# Altium PCB LimeSDR-QPCIe_1v2.PcbDoc (part 3 of 21) (continued)
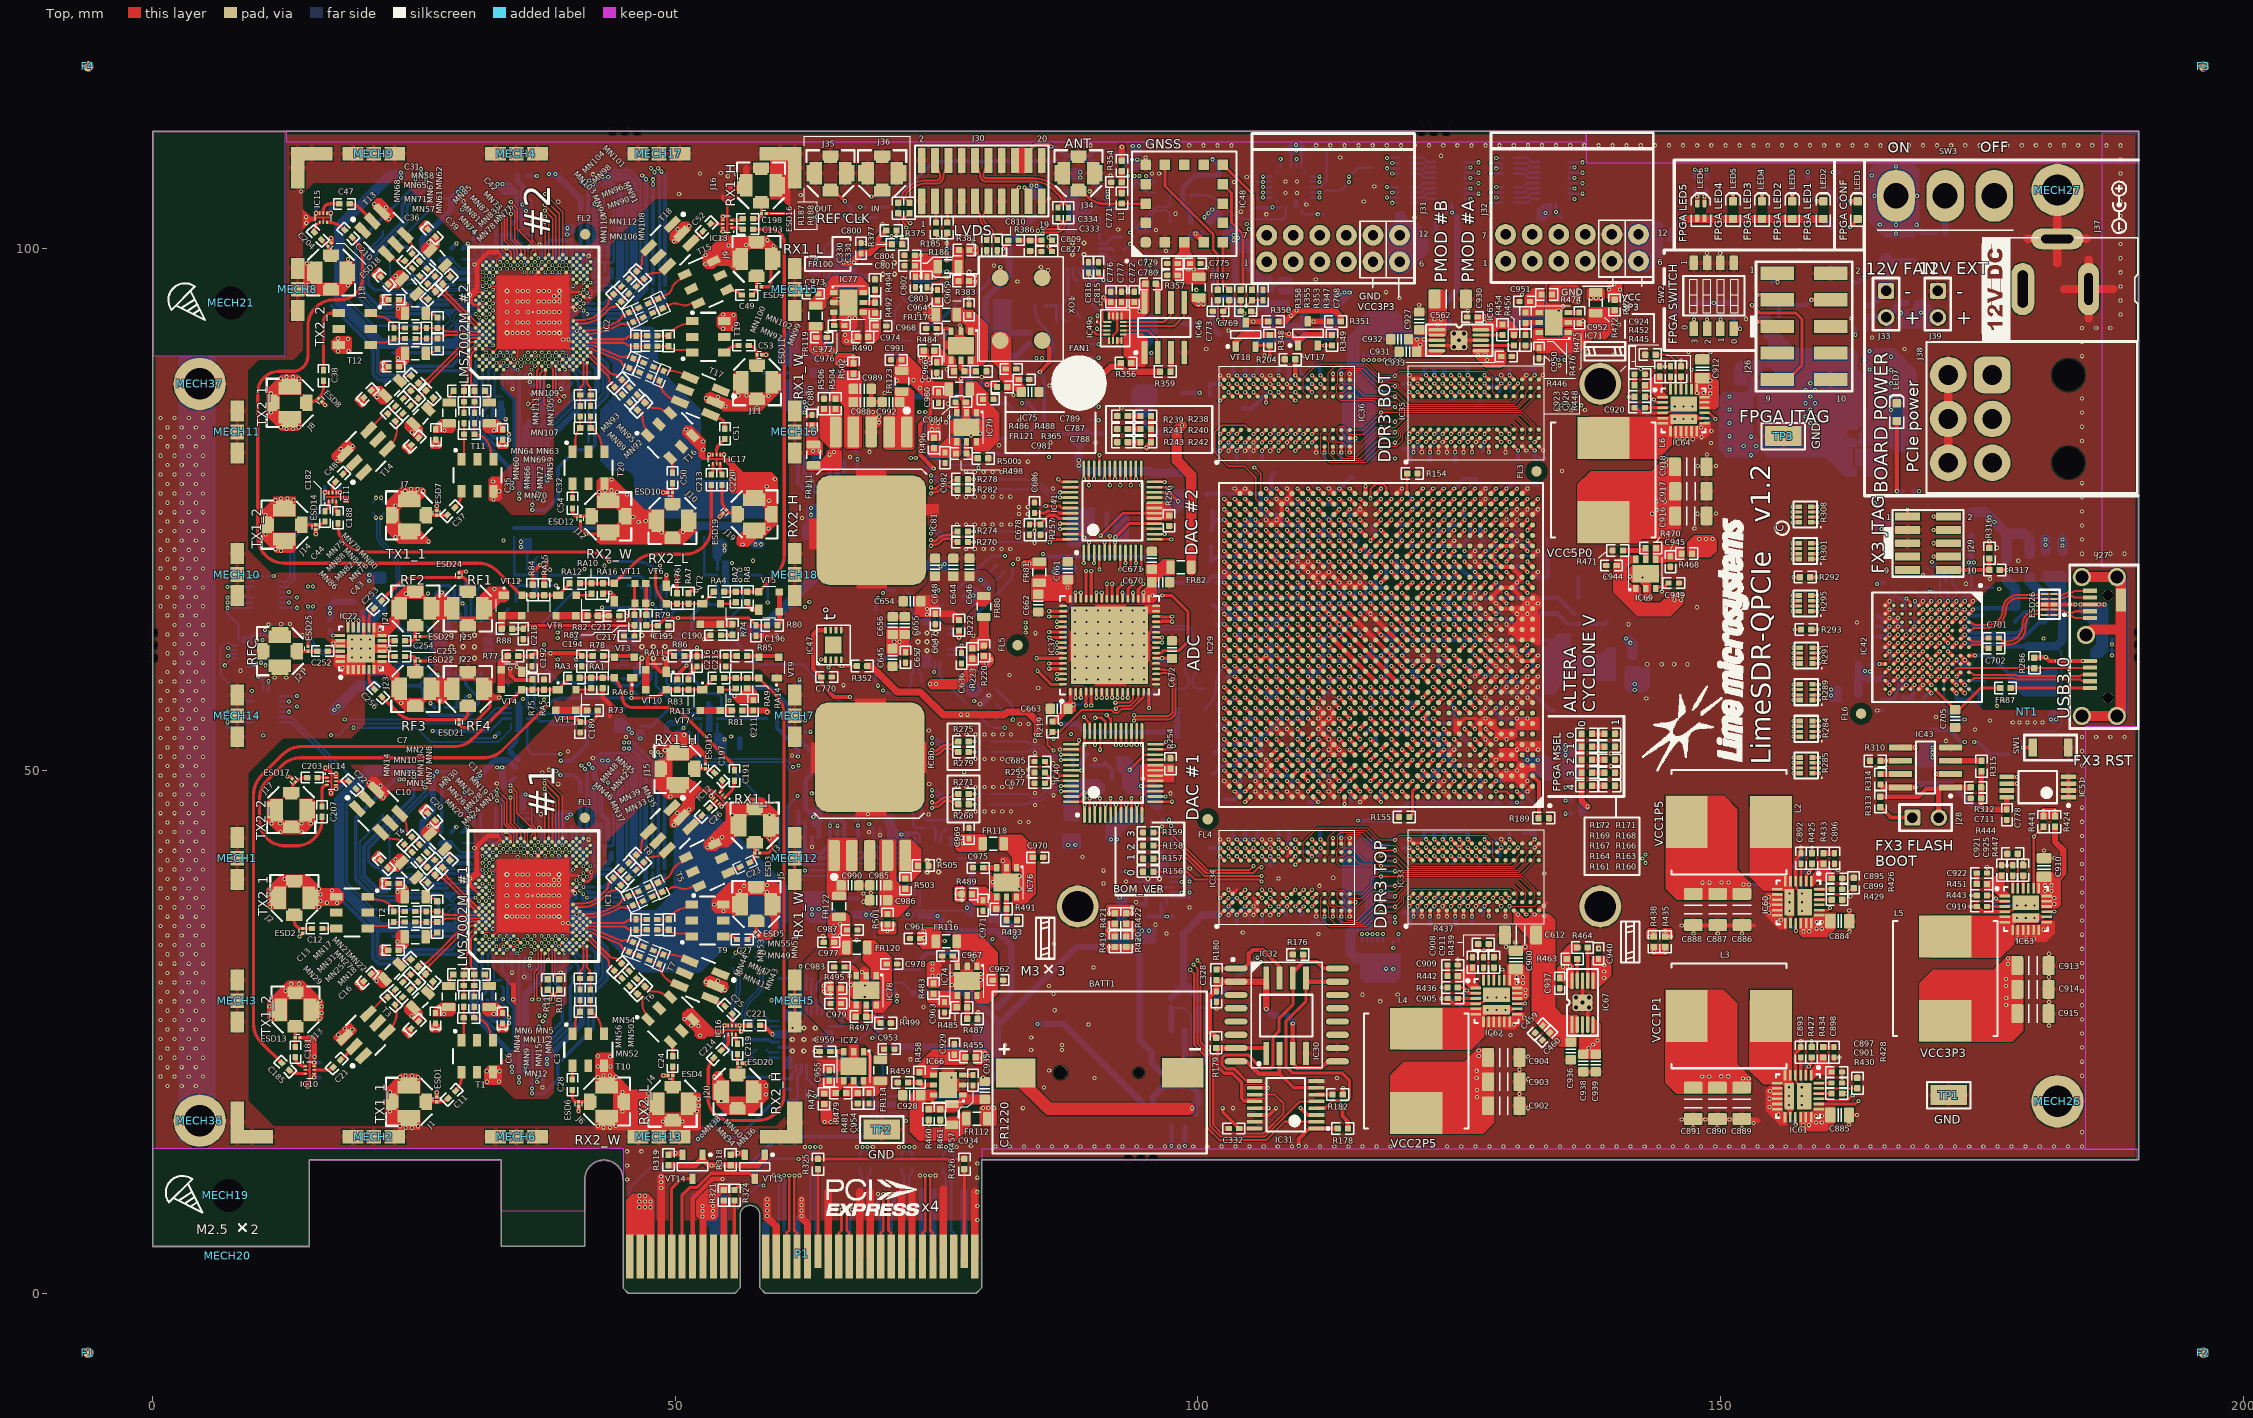
[diagram p0: Top view]
## Components (designator, comment, footprint, x,y, rotation, side; value= is the part's Value field where it differs from the comment) (continued)
IC80 "NCP59152" TO-263-5 68.6,48.025 r90 top
IC81 "NCP59152" TO-263-5 68.75,76.25 r270 top
J1 "U.FL/MMCX" MMCX_UFL_conn_u 24.512,18.316 r270 top
J2 "U.FL/MMCX" MMCX_UFL_conn_u 13.55,37.825 r180 top
J3 "U.FL/MMCX" MMCX_UFL_conn_u 57.6,44.75 r180 top
J4 "U.FL/MMCX" MMCX_UFL_conn_u 49.75,18.125 r0 top
J5 "U.FL/MMCX" MMCX_UFL_conn_u 57.75,37.225 r180 top
J6 "U.FL/MMCX" MMCX_UFL_conn_u 43.45,18.325 r90 top
J7 "U.FL/MMCX" MMCX_UFL_conn_u 24.525,74.428 r270 top
J8 "U.FL/MMCX" MMCX_UFL_conn_u 13.113,85.188 r270 top
J9 "U.FL/MMCX" MMCX_UFL_conn_u 57.775,98.95 r180 top
J10 "U.FL/MMCX" MMCX_UFL_conn_u 49.725,73.9 r0 top
J11 "U.FL/MMCX" MMCX_UFL_conn_u 57.816,87.157 r0 top
J12 "U.FL/MMCX" MMCX_UFL_conn_u 43.588,74.328 r90 top
J13 "U.FL/MMCX" MMCX_UFL_conn_u 13.65,27.125 r180 top
J14 "U.FL/MMCX" MMCX_UFL_conn_u 12.6,73.525 r270 top
J15 "U.FL/MMCX" MMCX_UFL_conn_u 50.225,50.175 r270 top
J16 "U.FL/MMCX" MMCX_UFL_conn_u 58.205,105.988 r180 top
J17 "U.FL/MMCX" MMCX_UFL_conn_u 13.25,46.225 r0 top
J18 "U.FL/MMCX" MMCX_UFL_conn_u 17.05,97.65 r0 top
J19 "U.FL/MMCX" MMCX_UFL_conn_u 57.575,74.525 r90 top
J20 "U.FL/MMCX" MMCX_UFL_conn_u 55.95,19.275 r0 top
J21 "U.FL/MMCX" MMCX_UFL_conn_U 12.176,61.425 r270 top
J22 "U.FL/MMCX" MMCX_UFL_conn_U 30.15,57.825 r180 top
J23 "U.FL/MMCX" MMCX_UFL_conn_U 25.125,57.825 r0 top
J24 "U.FL/MMCX" MMCX_UFL_conn_U 25.125,65.525 r180 top
J25 "U.FL/MMCX" MMCX_UFL_conn_U 30.15,65.525 r0 top
J26 "JTAG_10pinConnector" HEADER5x2_SM 158,92.5 r270 top locked
J27 "Micro_USB3B" microUSB3B_SM_v2 185.349,59.2 r90 top locked
J28 "Header" HDR_1x2 169.625,45.5 r90 top
J29 "JTAG connector" SWD_10_pin 169.85,71.75 r270 top
J30 "Header 10x2_SM" HEADER_10x2_SM_HALF_PITCH 79.325,106.425 r0 top locked
J31 "PMOD connector" PMODconn_right_angle_TH 112.94,99.95 r0 top locked
J32 "PMOD connector" PMODconn_right_angle_TH 135.8,100.025 r0 top locked
J33 "Header" HDR_1x2 165.85,94.625 r0 top
J34 "U.FL/MMCX" MMCX_UFL_conn_u 88.575,107.15 r180 top locked
J35 "U.FL/MMCX" MMCX_UFL_conn_u 64.85,107.15 r180 top
J36 "U.FL/MMCX" MMCX_UFL_conn_u 69.8,107.15 r180 top
J37 "CONN_PWR_JACK_2.1x5.5mm" CONN_PWR_JACK_v2 192.925,96.075 r270 top locked
J38 "6-pin PCIe power" PCIe_POWER_HEADER_6PIN 176,87.85 r270 top locked
J39 "Header" HDR_1x2 170.8,94.625 r0 top
L1 "47nH" RES0402#1 92.725,104.75 r90 top
L2 "1µH" FDVE1040_TOKO_INDUCTOR 150.8,45.075 r180 top
L3 "1µH" FDVE1040_TOKO_INDUCTOR 150.8,26.525 r180 top
L4 "2.2µH" FDVE1040_TOKO_INDUCTOR 120.9,21.275 r270 top
L5 "2.2µH" FDVE1040_TOKO_INDUCTOR 171.513,30.1 r270 top
L6 "3.3µH" FDVE1040_TOKO_INDUCTOR 138.8,77.8 r270 top
LED1 "LED_green" LED-0603-GREEN 163.125,103.625 r90 top
LED2 "LED_green" LED-0603-GREEN 159.85,103.625 r90 top
LED3 "LED_green" LED-0603-GREEN 156.875,103.625 r90 top
LED4 "LED_green" LED-0603-GREEN 153.975,103.625 r90 top
LED5 "LED_green" LED-0603-GREEN 151.2,103.625 r90 top
LED6 "LED_RG_SMD" LED-2X0603 148.1,103.625 r90 top
LED7 "LED_green" LED-0603-GREEN 166.875,84.3 r90 top
MECH1 "RFI Shield clip" RFI_SHIELD_CLPS_MINI 8.1,41.6 r90 top
MECH2 "RFI Shield clip" RFI_SHIELD_CLPS_MINI 21.162,14.975 r180 top
MECH3 "RFI Shield clip" RFI_SHIELD_CLPS_MINI 8.1,27.962 r90 top
MECH4 "RFI Shield clip" RFI_SHIELD_CLPS_MINI 34.8,109.025 r180 top
MECH5 "RFI Shield clip" RFI_SHIELD_CLPS_MINI 61.425,27.962 r90 top
MECH6 "RFI Shield clip" RFI_SHIELD_CLPS_MINI 34.8,14.975 r180 top
MECH7 "RFI Shield clip" RFI_SHIELD_CLPS_MINI 61.425,55.237 r90 top
MECH8 "RFI Shield clip" RFI_SHIELD_CLPS_MINI 13.875,96.038 r90 top
MECH9 "RFI Shield clip" RFI_SHIELD_CLPS_MINI 21.162,109.025 r180 top
MECH10 "RFI Shield clip" RFI_SHIELD_CLPS_MINI 8.1,68.763 r90 top
MECH11 "RFI Shield clip" RFI_SHIELD_CLPS_MINI 8.1,82.4 r90 top
MECH12 "RFI Shield clip" RFI_SHIELD_CLPS_MINI 61.425,41.6 r90 top
MECH13 "RFI Shield clip" RFI_SHIELD_CLPS_MINI 48.437,14.975 r180 top
MECH14 "RFI Shield clip" RFI_SHIELD_CLPS_MINI 8.1,55.238 r90 top
MECH15 "RFI Shield clip" RFI_SHIELD_CLPS_MINI 61.425,96.038 r90 top
MECH16 "RFI Shield clip" RFI_SHIELD_CLPS_MINI 61.425,82.4 r90 top
MECH17 "RFI Shield clip" RFI_SHIELD_CLPS_MINI 48.438,109.025 r180 top
MECH18 "RFI Shield clip" RFI_SHIELD_CLPS_MINI 61.425,68.763 r90 top
MECH19 "PCIe bracket" PCIE_BRACKET 6.975,9.35 r0 top locked
MECH20 "Spacer M3" PCIe_bracket_screw_M2.5 7.175,3.575 r90 top
MECH21 "Spacer M3" PCIe_bracket_screw_M2.5 7.5,94.75 r90 top
MECH26 "# pcs." PCB_STANDOFF 182.25,18.35 r0 top locked
MECH27 "# pcs." PCB_STANDOFF 182.25,105.55 r0 top locked
MECH36 "# pcs." PCB_STANDOFF 4.5,16.5 r0 top locked
MECH37 "# pcs." PCB_STANDOFF 4.5,87 r0 top locked
MN1 "100uH" RES0805#2 25.111,34.086 r180 top
MN2 "100uH" RES0805#2 25.11,37.931 r180 top
MN3 "100uH" RES0805#2 32.184,28.386 r270 top
MN4 "100uH" RES0805#2 28.339,28.385 r270 top
MN5 "47nH" RES0402#1 31.259,30.496 r0 top
MN6 "47nH" RES0402#1 29.259,30.496 r180 top
MN7 "47nH" RES0402#1 27.221,35.011 r270 top
MN8 "47nH" RES0402#1 27.221,37.011 r90 top
MN9 "100nF, 16V" CAP0402#2 29.759,27.896 r90 top
MN10 "100nF, 16V" CAP0402#2 24.621,36.511 r0 top
MN11 "0.5pF" CAP0402#2 30.259,29.446 r180 top
MN12 "2pF" CAP0402#2 30.259,26.346 r180 top
MN13 "0.5pF" CAP0402#2 26.171,36.011 r90 top
MN14 "2pF" CAP0402#2 23.071,36.011 r90 top
MN15 "100nF, 16V" CAP0402#2 30.759,27.896 r270 top
MN16 "100nF, 16V" CAP0402#2 24.621,35.511 r180 top
MN17 "0uH (0R)" RES0805#2 22.913,30.754 r225 top
MN18 "0uH (0R)" RES0805#2 25.632,28.035 r225 top
MN19 "0uH (0R)" RES0805#2 27.24,43.209 r135 top
MN20 "0uH (0R)" RES0805#2 24.522,40.49 r135 top
MN21 "8.2nH, 5%" RES0402#1 25.056,31.595 r135 top
MN22 "8.2nH, 5%" RES0402#1 26.47,30.181 r315 top
MN23 "8.2nH, 5%" RES0402#1 28.082,41.066 r45 top
MN24 "8.2nH, 5%" RES0402#1 26.668,39.652 r225 top
MN25 "0.8pF" CAP0402#2 24.278,28.696 r45 top
MN26 "0.8pF" CAP0402#2 25.183,41.844 r315 top
MN27 "1pF" CAP0402#2 25.02,30.145 r135 top
MN28 "1pF" CAP0402#2 26.632,41.102 r45 top
MN29 "0.5pF" CAP0402#2 22.828,27.953 r315 top
MN30 "0.5pF" CAP0402#2 24.44,43.294 r225 top
MN31 "0.8pF" CAP0402#2 23.571,29.403 r45 top
MN32 "0.8pF" CAP0402#2 25.89,42.551 r315 top
MN33 "510pF" CAP0402#2 47.358,37.741 r205 top
MN34 "510pF" CAP0402#2 45.259,29.759 r135 top
MN35 "8.2nH, 5%" RES0402#1 48.551,38.849 r295 top
MN36 "8.2nH, 5%" RES0402#1 46.734,28.992 r225 top
MN37 "1.2pF" CAP0402#2 45.742,37.539 r295 top
MN38 "1.2pF" CAP0402#2 44.517,31.209 r225 top
MN39 "510pF" CAP0402#2 46.935,38.647 r205 top
MN40 "510pF" CAP0402#2 45.967,30.467 r135 top
MN41 "2pF" CAP0402#2 47.048,32.066 r157.5 top
MN42 "2pF" CAP0402#2 45.888,40.134 r225 top
MN43 "0.5pF" CAP0402#2 48.671,31.935 r247.5 top
MN44 "1pF" CAP0402#2 45.761,33.14 r247.5 top
MN45 "0.5pF" CAP0402#2 46.63,41.584 r315 top
MN46 "1pF" CAP0402#2 44.438,39.392 r315 top
MN47 "2pF" CAP0402#2 47.43,32.99 r157.5 top
MN48 "2pF" CAP0402#2 45.18,40.842 r225 top
MN49 "510pF" CAP0402#2 47.779,34.765 r180 top
MN50 "510pF" CAP0402#2 41.874,28.547 r90 top
MN51 "10nH, 5%" RES0402#1 49.379,35.265 r270 top
MN52 "10nH, 5%" RES0402#1 41.38,26.937 r0 top
MN53 "1.2pF" CAP0402#2 46.229,35.265 r90 top
MN54 "1.2pF" CAP0402#2 41.374,30.097 r180 top
MN55 "510pF" CAP0402#2 47.779,35.765 r180 top
MN56 "510pF" CAP0402#2 40.874,28.547 r90 top
MN57 "100uH" RES0805#2 25.138,89.923 r180 top
MN58 "100uH" RES0805#2 25.137,93.768 r180 top
MN59 "100uH" RES0805#2 32.211,84.223 r270 top
MN60 "100uH" RES0805#2 28.366,84.222 r270 top
MN61 "47nH" RES0402#1 27.247,90.848 r270 top
MN62 "47nH" RES0402#1 27.247,92.848 r90 top
MN63 "47nH" RES0402#1 31.286,86.333 r0 top
MN64 "47nH" RES0402#1 29.286,86.333 r180 top
MN65 "100nF, 16V" CAP0402#2 24.647,92.348 r0 top
MN66 "100nF, 16V" CAP0402#2 29.786,83.733 r90 top
MN67 "0.5pF" CAP0402#2 26.197,91.848 r90 top
MN68 "2pF" CAP0402#2 23.097,91.848 r90 top
MN69 "0.5pF" CAP0402#2 30.286,85.283 r180 top
MN70 "2pF" CAP0402#2 30.286,82.183 r180 top
MN71 "100nF, 16V" CAP0402#2 24.647,91.348 r180 top
MN72 "100nF, 16V" CAP0402#2 30.786,83.733 r270 top
MN73 "0uH (0R)" RES0805#2 27.267,99.047 r135 top
MN74 "0uH (0R)" RES0805#2 24.549,96.327 r135 top
MN75 "0uH (0R)" RES0805#2 22.939,86.591 r225 top
MN76 "0uH (0R)" RES0805#2 25.659,83.872 r225 top
MN77 "8.2nH, 5%" RES0402#1 28.108,96.903 r45 top
MN78 "8.2nH, 5%" RES0402#1 26.694,95.489 r225 top
MN79 "8.2nH, 5%" RES0402#1 25.082,87.432 r135 top
MN80 "8.2nH, 5%" RES0402#1 26.497,86.018 r315 top
MN81 "0.8pF" CAP0402#2 25.209,97.681 r315 top
MN82 "0.8pF" CAP0402#2 24.305,84.533 r45 top
MN83 "1pF" CAP0402#2 26.659,96.939 r45 top
MN84 "1pF" CAP0402#2 25.047,85.983 r135 top
MN85 "0.5pF" CAP0402#2 24.467,99.131 r225 top
MN86 "0.5pF" CAP0402#2 22.855,83.79 r315 top
MN87 "0.8pF" CAP0402#2 25.916,98.388 r315 top
MN88 "0.8pF" CAP0402#2 23.597,85.24 r45 top
MN89 "510pF" CAP0402#2 45.286,85.597 r135 top
MN90 "510pF" CAP0402#2 47.384,93.578 r205 top
MN91 "8.2nH, 5%" RES0402#1 48.578,94.686 r295 top
MN92 "8.2nH, 5%" RES0402#1 46.736,84.854 r225 top
MN93 "1.2pF" CAP0402#2 44.544,87.046 r225 top
MN94 "1.2pF" CAP0402#2 45.768,93.376 r295 top
MN95 "510pF" CAP0402#2 45.993,86.304 r135 top
MN96 "510pF" CAP0402#2 46.962,94.484 r205 top
MN97 "2pF" CAP0402#2 47.074,87.903 r157.5 top
MN98 "2pF" CAP0402#2 45.914,95.972 r225 top
MN99 "0.5pF" CAP0402#2 48.698,87.772 r247.5 top
MN100 "1pF" CAP0402#2 45.788,88.977 r247.5 top
MN101 "0.5pF" CAP0402#2 46.657,97.421 r315 top
MN102 "2pF" CAP0402#2 47.457,88.827 r157.5 top
MN103 "1pF" CAP0402#2 44.465,95.229 r315 top
MN104 "2pF" CAP0402#2 45.207,96.679 r225 top
MN105 "510pF" CAP0402#2 41.901,84.384 r90 top
MN106 "510pF" CAP0402#2 47.806,90.602 r180 top
MN107 "10nH, 5%" RES0402#1 41.406,82.774 r0 top
MN108 "10nH, 5%" RES0402#1 49.356,91.102 r270 top
MN109 "1.2pF" CAP0402#2 41.401,85.934 r180 top
MN110 "1.2pF" CAP0402#2 46.256,91.102 r90 top
MN111 "510pF" CAP0402#2 40.901,84.384 r90 top
MN112 "510pF" CAP0402#2 47.806,91.602 r180 top
NT1 "NetTie" NetTie_Wide2 179.35,55.625 r270 top net-tie
P1 "PCIeX4-GF-2D-1000-1K-O64" PCIeX4-GF-2D-1000-1K-O64 59.75,3.25 r0 top locked
R1 "0R" RES0402#2 55.475,31.625 r90 bottom
R2 "10k, 1%" RES0402#2 61.875,57.7 r270 bottom
R3 "0R" RES0402#2 56.575,31.625 r90 bottom
R4 "0R" RES0402#2 58.775,31.625 r90 bottom
R5 "10k, 1%" RES0402#2 61.9,53.725 r0 bottom
R6 "10k, 1%" RES0402#2 56.2,57.95 r0 bottom
R7 "0R" RES0402#2 57.675,31.625 r90 bottom
R8 "10k, 1%" RES0402#2 61.375,54.8 r180 bottom
R9 "10k, 1%" RES0402#2 34.65,49.85 r270 bottom
R10 "0R" RES0402#1 38.886,29.525 r270 top
R11 "0R" RES0402#1 37.786,29.525 r270 top
R12 "49.9R, 1%" RES0402#2 28.537,43.591 r90 bottom
R13 "49.9R, 1%" RES0402#2 30.737,44.391 r90 bottom
R14 "0R" RES0402#2 37.875,26.425 r90 bottom
R15 "49.9R, 1%" RES0402#2 29.637,43.591 r90 bottom
R16 "49.9R, 1%" RES0402#2 29.587,46.616 r90 bottom
R17 "0R" RES0402#2 36.675,26.425 r90 bottom
R18 "10k, 1%" RES0402#2 43.55,47.725 r270 bottom
R19 "10k, 1%" RES0402#2 34.805,37.965 r45 bottom
R20 "0R" RES0402#2 14.554,66.647 r90 bottom
R21 "0R" RES0402#2 15.646,66.65 r90 bottom
R22 "10k, 1%" RES0402#2 105.025,69 r270 bottom
R23 "0R" RES0402#2 22.15,75.15 r90 bottom
R24 "0R" RES0402#2 21.05,75.15 r90 bottom
R25 "10k, 1%" RES0402#2 101.275,68 r0 bottom
R26 "10k, 1%" RES0402#2 106.025,69 r270 bottom
R27 "10k, 1%" RES0402#2 36.075,105.15 r90 bottom
R28 "10k, 1%" RES0402#2 35.375,106.925 r0 bottom
R29 "0R" RES0402#2 39.625,59.815 r180 bottom
R30 "0R" RES0402#2 39.628,60.885 r180 bottom
R31 "0R" RES0402#2 39.625,63.5 r180 bottom
R32 "49.9R, 1%" RES0402#2 28.563,99.428 r90 bottom
R33 "49.9R, 1%" RES0402#2 30.763,100.228 r90 bottom
R34 "49.9R, 1%" RES0402#2 29.663,99.428 r90 bottom
R35 "0R" RES0402#2 39.625,62.375 r180 bottom
R36 "49.9R, 1%" RES0402#2 29.613,102.453 r90 bottom
R37 "10k, 1%" RES0402#2 63.5,101.875 r270 bottom
R38 "10k, 1%" RES0402#2 34.832,93.802 r45 bottom
R39 "0R" RES0201 29.105,40.64 r180 bottom
R40 "0R" RES0402#2 39.605,44.865 r0 bottom
R41 "0R" RES0402#2 35.405,45.94 r270 bottom
R42 "10R" RES0201 32.228,28.912 r180 bottom
R43 "10R" RES0201 43.23,43.44 r180 bottom
R44 "2k2, 1%" RES0402#2 62.28,46.064 r180 bottom
R45 "0R" RES0402#2 40.912,47.466 r90 bottom
R46 "2k2, 1%" RES0402#2 62.905,44.964 r180 bottom
R47 "0R" RES0402#2 33.562,48.041 r90 bottom
R48 "10R" RES0201 30.866,32.136 r270 bottom
R49 "0R" RES0201 33.255,35.115 r90 bottom
R50 "0R" RES0201 33.43,32.22 r270 bottom
R51 "0R" RES0201 43.85,38.59 r270 bottom
R52 "10R" RES0201 44.262,41.591 r180 bottom
R53 "0R" RES0201 33.935,39.515 r180 bottom
R54 "0R" RES0201 31.78,34.665 r180 bottom
R55 "0R" RES0201 34.055,33.319 r135 bottom
R56 "0R" RES0201 29.107,96.477 r180 bottom
R57 "0R" RES0402#2 40.132,101.202 r270 bottom
R58 "0R" RES0402#2 35.388,101.777 r270 bottom
R59 "10R" RES0201 32.255,84.749 r180 bottom
R60 "10R" RES0201 43.207,99.277 r180 bottom
R61 "2k2, 1%" RES0402#2 62.25,81.1 r180 bottom
R62 "2k2, 1%" RES0402#2 62.875,80 r180 bottom
R63 "0R" RES0402#2 40.938,103.303 r90 bottom
R64 "0R" RES0402#2 34.338,101.778 r90 bottom
R65 "10R" RES0201 30.89,87.976 r270 bottom
R66 "0R" RES0201 33.282,90.952 r90 bottom
R67 "0R" RES0201 33.457,88.027 r270 bottom
R68 "0R" RES0201 43.907,94.472 r270 bottom
R69 "10R" RES0201 44.287,97.477 r180 bottom
R70 "0R" RES0201 33.962,95.352 r180 bottom
R71 "0R" RES0201 31.807,90.502 r180 bottom
R72 "0R" RES0201 34.107,89.181 r135 bottom
R73 "100R, 1%" RES0402#1 42.075,55.75 r0 top
R74 "100R, 1%" RES0402#1 55.48,63.5 r270 top
R75 "1k, 1%" RES0402#1 36.338,58.237 r90 top
R76 "1k, 1%" RES0402#1 50.168,66.475 r90 top
R77 "100R, 1%" RES0402#1 34.475,60.975 r0 top
R78 "100R, 1%" RES0402#1 42.6,60.975 r0 top
R79 "100R, 1%" RES0402#1 47.225,64.4 r270 top
R80 "100R, 1%" RES0402#1 59.275,63.9 r0 top
R81 "100R, 1%" RES0402#1 55.9,55.75 r0 top
R82 "100R, 1%" RES0402#1 42.093,64.813 r0 top
R83 "1k, 1%" RES0402#1 50.187,58.225 r90 top
R84 "1k, 1%" RES0402#1 36.355,67.288 r90 top
R85 "100R, 1%" RES0402#1 56.375,60.963 r0 top
R86 "100R, 1%" RES0402#1 50.375,60.963 r0 top
R87 "100R, 1%" RES0402#1 46.1,64.4 r90 top
R88 "100R, 1%" RES0402#1 33.905,63.575 r0 top
R89 "0R" RES0402#2 67.01,20.272 r135 bottom
R90 "10k, 1%" RES0402#2 70.365,23.571 r0 bottom
R91 "8.2k, 1%" RES0402#2 70.365,22.471 r180 bottom
R92 "0R" RES0402#2 65.525,21.05 r225 bottom
R93 "0R" RES0402#2 66.475,23.025 r180 bottom
R94 "0R" RES0402#2 58.225,22.25 r180 bottom
R95 "0R" RES0402#2 58.225,23.3 r180 bottom
R96 "0R" RES0402#2 58.225,26.325 r180 bottom
R97 "0R" RES0402#2 58.225,25.225 r180 bottom
R98 "6.2k, 1%" RES0402#2 61.475,30.125 r0 bottom
R99 "7.5k, 1%" RES0402#2 60.075,18.45 r180 bottom
R100 "0R" RES0402#2 65.525,27.5 r135 bottom
R101 "0R" RES0402#2 66.475,25.525 r180 bottom
R102 "0R" RES0402#2 67.01,28.278 r225 bottom
R103 "10k, 1%" RES0402#2 73.482,31.457 r90 bottom
R104 "8.2k, 1%" RES0402#2 72.357,31.457 r270 bottom
R105 "10k, 1%" RES0402#2 59.875,30.625 r270 bottom
R106 "10k, 1%" RES0402#2 62.2,18.45 r0 bottom
R107 "10k, 1%" RES0402#2 63.55,30.125 r0 bottom
R108 "0R" RES0402#2 56.125,24.25 r180 bottom
R109 "49.9R, 1%" RES0402#2 72.25,44.8 r0 bottom
R110 "0R" RES0402#2 73.4,36.6 r90 bottom
R111 "10k, 1%" RES0402#2 16.976,63.95 r270 bottom
R112 "10k, 1%" RES0402#2 18.076,65.65 r270 bottom
R113 "10k, 1%" RES0402#2 19.176,65.65 r270 bottom
R114 "0R" RES0402#2 34.41,57.847 r135 bottom
R115 "10k, 1%" RES0402#2 41.04,54.41 r0 bottom
R116 "8.2k, 1%" RES0402#2 39.44,53.91 r90 bottom
R117 "0R" RES0402#2 32.925,58.625 r225 bottom
R118 "0R" RES0402#2 33.875,60.6 r180 bottom
R119 "0R" RES0402#2 25.625,59.825 r180 bottom
R120 "0R" RES0402#2 25.625,60.875 r180 bottom
R121 "0R" RES0402#2 25.625,63.9 r180 bottom
R122 "0R" RES0402#2 25.625,62.8 r180 bottom
R123 "6.2k, 1%" RES0402#2 28.875,67.7 r0 bottom
R124 "7.5k, 1%" RES0402#2 27.475,56.025 r180 bottom
R125 "0R" RES0402#2 34.41,65.853 r225 bottom
R126 "0R" RES0402#2 32.925,65.075 r135 bottom
R127 "0R" RES0402#2 33.875,63.1 r180 bottom
R128 "10k, 1%" RES0402#2 34.575,72.725 r90 bottom
R129 "8.2k, 1%" RES0402#2 34.075,71.2 r0 bottom
R130 "10k, 1%" RES0402#2 26.775,67.7 r0 bottom
R131 "10k, 1%" RES0402#2 29.6,56.025 r0 bottom
R132 "10k, 1%" RES0402#2 30.45,68.15 r90 bottom
R133 "0R" RES0402#2 23.525,61.825 r180 bottom
R134 "0R" RES0402#2 52.61,57.847 r135 bottom
R135 "10k, 1%" RES0402#2 59.24,54.985 r0 bottom
R136 "8.2k, 1%" RES0402#2 57.64,54.485 r90 bottom
R137 "0R" RES0402#2 51.125,58.625 r225 bottom
R138 "0R" RES0402#2 52.075,60.6 r180 bottom
R139 "0R" RES0402#2 43.825,59.825 r180 bottom
R140 "0R" RES0402#2 43.825,60.875 r180 bottom
R141 "0R" RES0402#2 43.825,63.9 r180 bottom
R142 "0R" RES0402#2 43.825,62.8 r180 bottom
R143 "6.2k, 1%" RES0402#2 47.075,67.7 r0 bottom
R144 "7.5k, 1%" RES0402#2 45.675,56.025 r180 bottom
R145 "0R" RES0402#2 51.125,65.075 r135 bottom
R146 "0R" RES0402#2 52.075,63.1 r180 bottom
R147 "0R" RES0402#2 52.61,65.853 r225 bottom
R148 "10k, 1%" RES0402#2 52.275,72.3 r180 bottom
R149 "8.2k, 1%" RES0402#2 52.275,71.2 r0 bottom
R150 "10k, 1%" RES0402#2 49.15,67.65 r0 bottom
R151 "10k, 1%" RES0402#2 44.975,67.7 r0 bottom
R152 "10k, 1%" RES0402#2 47.8,56.025 r0 bottom
R153 "0R" RES0402#2 41.725,61.825 r180 bottom
R154 "100R, 1%" RES0402#1 120.525,78.425 r180 top
R155 "100R, 1%" RES0402#1 119.75,45.55 r0 top
R156 "0R" RES0402#1 95.25,40.325 r180 top
R157 "0R" RES0402#1 95.25,41.575 r180 top
R158 "0R" RES0402#1 95.25,42.825 r180 top
R159 "0R" RES0402#1 95.25,44.075 r180 top
R160 "0R" RES0402#1 139.415,48.55 r0 top
R161 "0R" RES0402#1 137.2,48.55 r0 top
R162 "10k, 1%" RES0402#2 155.1,93.425 r180 bottom
R163 "0R" RES0402#1 139.415,49.794 r0 top
R164 "0R" RES0402#1 137.2,49.797 r0 top
R165 "10k, 1%" RES0402#2 154,94.525 r180 bottom
R166 "0R" RES0402#1 139.415,51.038 r0 top
R167 "0R" RES0402#1 137.2,51.047 r0 top
R168 "0R" RES0402#1 139.415,52.286 r0 top
R169 "0R" RES0402#1 137.2,52.286 r0 top
R170 "1k, 1%" RES0402#2 154.4,96.725 r180 bottom
R171 "0R" RES0402#1 139.415,53.516 r0 top
R172 "0R" RES0402#1 137.2,53.522 r0 top
R173 "470R, 0.5%" RES0402#2 161.05,102.025 r180 bottom
R174 "10k, 1%" RES0402#2 136.203,48.377 r180 bottom
R175 "10k, 1%" RES0402#2 136.203,47.13 r180 bottom
R176 "100K" RES0402#1 109.575,32.4 r180 top
R177 "10k, 1%" RES0402#2 136.203,45.883 r180 bottom
R178 "10k, 1%" RES0402#1 113.875,15.75 r0 top
R179 "4.7k, 1%" RES0402#1 101.75,23.95 r90 top
R180 "4.7k, 1%" RES0402#1 101.775,30.475 r270 top
R181 "4.7k, 1%" RES0402#2 108.025,26.575 r180 bottom
R182 "22R" RES0402#1 113.375,19 r0 top
R183 "0R" RES0402#2 95.825,105.8 r270 bottom
R184 "0R" RES0402#2 92.525,105.8 r270 bottom
R185 "0R" RES0402#1 74.95,101.95 r90 top
R186 "0R" RES0402#1 76.025,101.95 r90 top
R187 "0R" RES0402#1 71.325,103.825 r90 top
R188 "0R" RES0402#1 72.4,103.825 r90 top
R189 "2k, 1%" RES0402#1 133.1,45.45 r0 top
R190 "0R" RES0402#2 131.5,46.95 r180 bottom
R191 "0R" RES0402#2 129.4,46.95 r0 bottom
R192 "8x51R" EXB2HV 117.35,37.225 r180 bottom
R193 "240R, 1%" RES0402#2 128.35,43.725 r90 bottom
R194 "100R, 1%" RES0402#2 127.025,40.55 r0 bottom
R195 "8x51R" EXB2HV 117.35,41.625 r180 bottom
R196 "4.7k, 1%" RES0402#2 114.65,46.55 r270 bottom
R197 "8x51R" EXB2HV 117.45,32.85 r270 bottom
R198 "240R, 1%" RES0402#2 110.275,42.825 r90 bottom
R199 "100R, 1%" RES0402#2 108.6,41.4 r270 bottom
R200 "8x51R" EXB2HV 117.35,81.625 r180 bottom
R201 "240R, 1%" RES0402#2 128.35,88.125 r90 bottom
R202 "100R, 1%" RES0402#2 108.575,85.8 r90 bottom
R203 "8x51R" EXB2HV 117.35,86.025 r180 bottom
R204 "4.7k, 1%" RES0402#1 108.825,89.35 r180 top
R205 "8x51R" EXB2HV 117.6,90.8 r90 bottom
R206 "240R, 1%" RES0402#2 110.275,86.225 r270 bottom
R207 "100R, 1%" RES0402#2 127.025,84.95 r0 bottom
R208 "100R, 1%" RES0402#2 99.319,59.6 r0 bottom
R209 "560R, 1%" RES0402#2 73.075,58.5 r180 bottom
R210 "300R, 1%" RES0402#2 69.15,59.75 r270 bottom
R211 "0R" RES0402#2 78.198,56.091 r135 bottom
R212 "24.9R, 1%" RES0402#2 77.421,57.576 r225 bottom
R213 "560R, 1%" RES0402#2 70.25,61.325 r270 bottom
R214 "300R, 1%" RES0402#2 71.5,57.4 r180 bottom
R215 "27R, 1%" RES0402#2 79.683,55.313 r45 bottom
R216 "27R, 1%" RES0402#2 81.08,56.709 r225 bottom
R217 "24.9R, 1%" RES0402#2 78.817,58.972 r225 bottom
R218 "0R" RES0402#2 80.302,58.194 r135 bottom
R219 "10k, 1%" RES0402#1 86.1,54.2 r90 top
R220 "0R" RES0402#1 79.525,61.475 r270 top
R221 "10k, 1%" RES0402#2 92.3,57.625 r180 bottom
R222 "10k, 1%" RES0402#1 77.15,63.9 r90 top
R223 "0R" RES0402#1 78.425,61.2 r270 top
R224 "560R, 1%" RES0402#2 70.25,63.325 r90 bottom
R225 "300R, 1%" RES0402#2 71.5,67.25 r180 bottom
R226 "0R" RES0402#2 80.309,66.448 r225 bottom
R227 "24.9R, 1%" RES0402#2 78.824,65.671 r315 bottom
R228 "560R, 1%" RES0402#2 73.075,66.15 r180 bottom
R229 "300R, 1%" RES0402#2 69.15,64.9 r90 bottom
R230 "27R, 1%" RES0402#2 81.087,67.933 r135 bottom
R231 "27R, 1%" RES0402#2 79.691,69.33 r315 bottom
R232 "24.9R, 1%" RES0402#2 77.428,67.067 r315 bottom
R233 "0R" RES0402#2 78.206,68.552 r225 bottom
R234 "0R" RES0402#2 94.1,66.25 r180 bottom
R235 "0R" RES0402#2 87.35,64.75 r90 bottom
R236 "0R" RES0402#2 91.8,66.25 r0 bottom
R237 "0R" RES0402#2 87.2,60.25 r270 bottom
R238 "10k, 1%" RES0402#1 95.012,83.925 r0 top
R239 "0R" RES0402#1 92.788,83.925 r0 top
R240 "10k, 1%" RES0402#1 95.012,82.675 r0 top
R241 "0R" RES0402#1 92.788,82.675 r0 top
R242 "10k, 1%" RES0402#1 95.012,81.425 r0 top
R243 "0R" RES0402#1 92.788,81.425 r0 top
R244 "150R, 1%" RES0402#2 79.68,46.77 r180 bottom
R245 "150R, 1%" RES0402#2 79.605,71.87 r180 bottom
R246 "105R, 1%" RES0402#2 83.38,46.27 r270 bottom
R247 "105R, 1%" RES0402#2 83.305,71.37 r270 bottom
R248 "115R, 1%" RES0402#2 82.28,47.27 r90 bottom
R249 "115R, 1%" RES0402#2 82.205,72.37 r90 bottom
R250 "105R, 1%" RES0402#2 83.38,48.27 r90 bottom
R251 "105R, 1%" RES0402#2 83.305,73.37 r90 bottom
R252 "150R, 1%" RES0402#2 79.68,47.77 r180 bottom
R253 "150R, 1%" RES0402#2 79.605,72.87 r180 bottom
R254 "49.9R, 1%" RES0402#1 97.375,50.675 r270 top
R255 "2.4k, 1%" RES0402#1 84.875,49.825 r0 top
R256 "49.9R, 1%" RES0402#1 97.25,73.9 r90 top
R257 "2.4k, 1%" RES0402#1 84.945,73.055 r90 top
R258 "150R, 1%" RES0402#2 79.68,52.78 r180 bottom
R259 "150R, 1%" RES0402#2 79.605,77.88 r180 bottom
R260 "105R, 1%" RES0402#2 83.38,53.28 r90 bottom
R261 "105R, 1%" RES0402#2 83.305,78.38 r90 bottom
R262 "115R, 1%" RES0402#2 82.28,52.28 r270 bottom
R263 "115R, 1%" RES0402#2 82.205,77.38 r270 bottom
R264 "105R, 1%" RES0402#2 83.38,51.28 r270 bottom
R265 "105R, 1%" RES0402#2 83.305,76.38 r270 bottom
R266 "150R, 1%" RES0402#2 79.68,51.78 r180 bottom
R267 "150R, 1%" RES0402#2 79.605,76.88 r180 bottom
R268 "0R" RES0402#1 77.58,46.77 r0 top
R269 "0R" RES0402#2 77.58,46.77 r0 bottom
R270 "0R" RES0402#1 77.505,71.87 r0 top
R271 "0R" RES0402#1 77.58,47.77 r0 top
R272 "0R" RES0402#2 77.505,71.87 r0 bottom
R273 "0R" RES0402#2 77.58,47.77 r0 bottom
R274 "0R" RES0402#1 77.505,72.87 r0 top
R275 "0R" RES0402#1 77.58,52.78 r0 top
R276 "0R" RES0402#2 77.505,72.87 r0 bottom
R277 "0R" RES0402#2 77.58,52.78 r0 bottom
R278 "0R" RES0402#1 77.505,77.88 r0 top
R279 "0R" RES0402#1 77.58,51.78 r0 top
R280 "0R" RES0402#2 77.505,77.88 r0 bottom
R281 "0R" RES0402#2 77.58,51.78 r0 bottom
R282 "0R" RES0402#1 77.505,76.88 r0 top
R283 "0R" RES0402#2 77.505,76.88 r0 bottom
R284 "22R" ChipResistorArray 158.2,54 r180 top
R285 "22R" ChipResistorArray 158.2,50.5 r180 top
R286 "0R" RES0402#1 180.025,60.3 r270 top
R287 "0R" RES0402#2 171.475,56.45 r90 bottom
R288 "0R" RES0402#2 175.825,58.45 r180 bottom
R289 "22R" ChipResistorArray 158.2,57.5 r180 top
R290 "0R" RES0402#2 185.2,61.175 r0 bottom
R291 "22R" ChipResistorArray 158.2,61 r180 top
R292 "22R" RES0402#1 158.1,68.5 r180 top
R293 "22R" RES0402#1 158.2,63.5 r180 top
R294 "10k, 1%" RES0402#2 175.575,64.825 r0 bottom
R295 "22R" ChipResistorArray 158.1,66 r180 top
R296 "10k, 1%" RES0402#2 179.425,64.675 r90 bottom
R297 "2K2, 1%" RES0402#2 171.55,67.65 r270 bottom
R298 "10k, 1%" RES0402#2 173.1,61.5 r0 bottom
R299 "2K2, 1%" RES0402#2 164.95,74.342 r90 bottom
R300 "2K2, 1%" RES0402#2 170.325,69.325 r180 bottom
R301 "22R" ChipResistorArray 158.1,71 r180 top
R302 "10k, 1%" RES0402#2 165.625,67.475 r90 bottom
R303 "2K2, 1%" RES0402#2 172.15,69.75 r90 bottom
R304 "6.04K, 1%" RES0402#2 174.475,60.175 r180 bottom
R305 "10k, 1%" RES0402#2 168.575,65.05 r90 bottom
R306 "200R, 1%" RES0402#2 175.575,63.775 r180 bottom
R307 "10k, 1%" RES0402#2 164.65,64.825 r180 bottom
R308 "22R" ChipResistorArray 158.1,74.5 r180 top
R309 "10k, 1%" RES0402#2 163.675,60.2 r180 bottom
R310 "100K" RES0402#1 164.81,50.935 r0 top
R311 "100K" RES0402#2 178.95,53.3 r270 bottom
R312 "4.7k, 1%" RES0402#1 174.44,48.395 r0 top
R313 "0R" RES0402#1 165.3,47 r90 top
R314 "4.7k, 1%" RES0402#1 165.31,49.165 r270 top
R315 "4.7k, 1%" RES0402#1 174.975,50.435 r270 top
R316 "0R" RES0402#1 175.725,70.8 r270 top
R317 "0R" RES0402#1 176.225,69.2 r180 top
R318 "2K2, 1%" RES0402#1 55.3,12.75 r90 top
R319 "2K2, 1%" RES0402#1 49.35,12.75 r90 top
R320 "0R" RES0402#2 51.15,9.575 r180 bottom
R321 "0R" RES0402#1 54.65,9.375 r270 top
R322 "0R" RES0402#2 93.55,109.075 r180 bottom
R323 "0R" RES0402#2 93.55,107.828 r180 bottom
R324 "0R" RES0402#1 55.675,9.375 r270 top
R325 "0R" RES0402#1 63.65,12.35 r270 top
R326 "0R" RES0402#1 77.65,12.35 r270 top
R327 "200R, 5%" ChipResistorArray 119.775,105.075 r180 bottom
R328 "200R, 5%" ChipResistorArray 119.775,107.875 r180 bottom
R329 "200R, 5%" ChipResistorArray 129.725,105.075 r180 bottom
R330 "200R, 5%" ChipResistorArray 129.725,107.875 r180 bottom
R331 "10k, 1%" RES0402#2 147.46,94.25 r270 bottom
R332 "10k, 1%" RES0402#2 148.725,94.25 r270 bottom
R333 "10k, 1%" RES0402#2 149.995,94.25 r270 bottom
R334 "10k, 1%" RES0402#2 151.265,94.25 r270 bottom
R335 "0R" RES0402#2 122.275,101 r0 bottom
R336 "0R" RES0402#2 144.675,100.85 r0 bottom
R337 "249R, 1%" RES0402#2 158.35,106.225 r270 bottom
R338 "0R" RES0402#2 168.3,94.775 r0 bottom
R339 "0R" RES0402#2 163.425,92.2 r180 bottom
R340 "249R, 1%" RES0402#2 156.875,106.225 r270 bottom
R341 "249R, 1%" RES0402#2 153.975,106.225 r270 bottom
R342 "0R" RES0402#2 169,98.75 r180 bottom
R343 "249R, 1%" RES0402#2 151.2,106.25 r270 bottom
R344 "10k, 1%" RES0402#2 162.775,96.175 r270 bottom
R345 "249R, 1%" RES0402#2 147.575,106.25 r270 bottom
R346 "249R, 1%" RES0402#2 148.675,106.25 r270 bottom
R347 "100R, 1%" RES0402#1 105.175,95.5 r270 top
R348 "2K2, 1%" RES0402#1 106.875,91.175 r270 top
R349 "2K2, 1%" RES0402#1 112.825,91.175 r270 top
R350 "2K2, 1%" RES0402#1 107.225,92.975 r180 top
R351 "2K2, 1%" RES0402#1 113.175,92.975 r180 top
R352 "10k, 1%" RES0402#1 67.875,60 r0 top
R353 "100R, 1%" RES0402#1 104.1,95.5 r270 top
R354 "10R, 5%" RES0402#1 92.725,107.85 r270 top
R355 "100R, 1%" RES0402#1 103,95.5 r270 top
R356 "4.7k, 1%" RES0402#1 93.125,89 r180 top
R357 "4.7k, 1%" RES0402#1 95.475,96.575 r180 top
R358 "0R" RES0402#1 101.9,95.5 r270 top
R359 "4.7k, 1%" RES0402#1 96.875,88.165 r180 top
R360 "0R" RES0402_v2 95.2,18.2 r0 bottom
R361 "0R" RES0402#2 98.975,100.275 r270 bottom
R362 "10k, 1%" RES0402#2 100.02,27.77 r90 bottom
R363 "10k, 1%" RES0402#2 97.48,27.77 r90 bottom
R364 "0R" RES0402_v2 73.573,92.184 r45 bottom
R365 "0R" RES0402#1 81.275,86.7 r0 top
R366 "49.9R, 1%" RES0402#2 71.5,93.575 r180 bottom
R367 "0R" RES0402#2 74.925,99.925 r180 bottom
R368 "0R" RES0402_v2 69.3,103.425 r90 bottom
R369 "0R" RES0402#2 74.925,98.825 r180 bottom
R370 "0R" RES0402#2 74.925,97.75 r180 bottom
R371 "49.9R, 1%" RES0402#2 70.875,102.825 r0 bottom
R372 "0R" RES0402_v2 69.3,104.425 r90 bottom
R373 "0R" RES0402#2 74.925,96.65 r180 bottom
R374 "0R" RES0402_v2 68.8,103.925 r180 bottom
R375 "0R" RES0402#1 70.675,101.675 r180 top
R376 "0R" RES0402#2 83.875,91.4 r90 bottom
R377 "0R" RES0402#1 71.225,100.35 r0 top
R378 "0R" RES0402#2 67.095,102.205 r270 bottom
R379 "0R" RES0402_v2 73.579,91.471 r315 bottom
R380 "0R" RES0402#2 80.2,94.75 r180 bottom
R381 "0R" RES0402#1 77.65,99.8 r180 top
R382 "0R" RES0402#2 76.275,85.8 r180 bottom
R383 "0R" RES0402#1 77.6,96.85 r0 top
R384 "0R" RES0402_v2 72.871,91.471 r45 bottom